# Altium PCB OTC_LOCK_v1_0.PcbDoc (part 2 of 2)
Units mm, origin at the board's own origin, x right, y up, seen from the top; angles counter-clockwise.
Board outline 85 x 65 mm, 4 copper layers (Top Layer, Internal Plane 1, Internal Plane 2, Bottom Layer), stack 1.56 mm thick; 126 components, 96 nets, 383 pads, 140 vias.
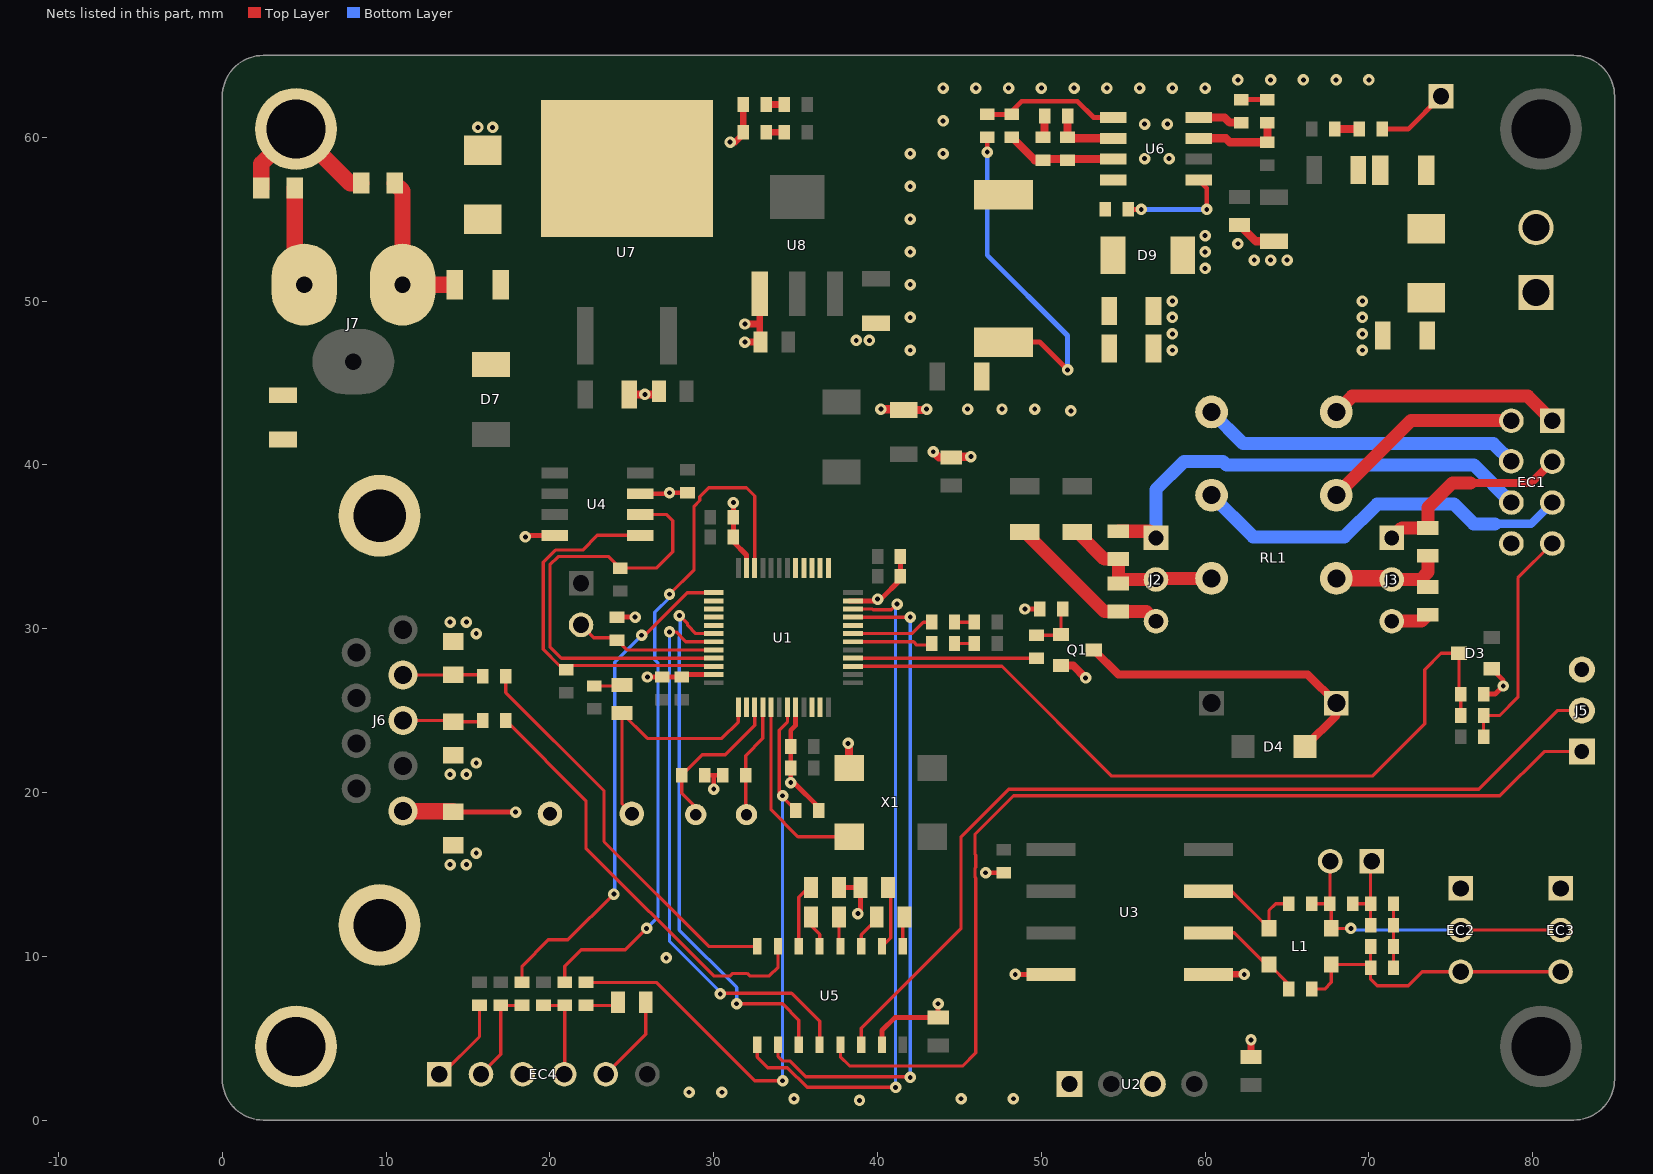
[diagram p4: the nets of this part, all layers, seen from the top]

## Via types
v1: diameter 0.7, hole 0.3, Top Layer to Bottom Layer, 140 vias

## Nets (pads, with @x,y where several pads share a name; then routed paths per layer and width w, separated by ;. In a path a pad name is that pad's centre, name@x,y a point inside that pad or via, vN(x,y) a via of type N, cw(c..) or ccw(c..) an arc to the next point about the centre after c; other vN are vias at no path point) (continued)
GND: C1.1 C3.2 C4.1 C5.1 C6.1 C7.1 C8.2 C9.1 C10.1 C11.1 C12.1 C15.1 C16.1 C17.1 C18.1 C19.1 C20.2 C21.2 C23.1 C24.1 C25.2 C26.1 C27.2 C28.1 C29.1 C30.1 C31.1 C32.1 C33.1 C34.1 C35.1 D3.1 D9.1 D10.2 D11.2 D12.2 EC1.8 EC4.3 F3.1 FB3.2 J3.3 J5.3 J6.5 J7.2 PIN1.1 Q1.S R17.1 R18.1 R21.1 R32.1 R34.1 R38.2 U1.8 U1.23 U1.35 U1.47 U2.1 U3.4 U4.4 U4.7 U5.15 U6.7 U7.4 U8.1 V1.1 V5.1 X1.2 | length 92.8
  Top Layer w0.3: V1.1@14.1,18.82 17.88,18.82 v1(17.9,18.8) ; v1(18.5,35.6) 18.595,35.695 U4.4@20.297,35.695 ; R18.1@24.1,30.7 v1(25.2,30.7) ; U4.7@25.504,38.235 27.235,38.235 v1(27.3,38.3) C5.1@28.4,38.3 ; v1(25.95,27.05) C12.1@26.85,27.05 C17.1@28.05,27.05 28.2,27.2 U1.47@30,27.2 ; C4.1@29.45,21.05 30,21.05 ; v1(30,20.2) 30,21.05 ; C6.1@30.55,21.05 30,21.05 ; v1(31.2,37.7) C18.1@31.2,36.8 C9.1@31.2,35.6 31.2,35.3 32,34.5 U1.35@32,33.7 ; U1.8@35,25.2 35,24.1 34.7,23.8 C15.1@34.7,22.8 C11.1@34.7,21.5 v1(34.7,20.6) 34.9,20.6 36.4,19.1 C7.1@36.4,18.9 ; C20.2@37.65,14.2 C19.1@38.95,14.2 38.95,12.75 v1(38.8,12.6) ; U1.23@38.3,31.7 U1.23@38.5,31.7 39.9,31.7 v1(40,31.8) 40.2,31.8 41.4,33 C10.1@41.4,33.2 C16.1@41.4,34.4 ; U5.15@40.275,4.6 40.275,5.475 41.05,6.25 C21.2@43.7,6.25 v1(43.7,7.1) ; v1(46.6,15.1) C3.2@47.7,15.1 ; v1(48.41,8.89) U3.4@50.6,8.89 ; v1(49,31.2) R21.1@49.9,31.2 ; C27.2@62.2,62.3 R32.1@63.8,62.3 ; D10.2@70.8,60.5 72.4,60.5 PIN1.1@74.4,62.5 ; C1.1@77,26 77.7,26 v1(78.2,26.5) 78.2,26.85 D3.1@77.5,27.55
  Top Layer w0.4: v1(31,59.7) 31.3,59.7 31.8,60.2 D12.2@31.8,62 ; v1(31.9,47.5) C35.1@32.85,47.5 32.8,47.55 32.8,48.6 ; v1(31.9,48.6) 32.8,48.6 ; U8.1@32.8,50.45 32.8,48.6
  Top Layer w0.5: C32.1@24.85,44.3 v1(25.8,44.3) 26.45,44.3 C33.1@26.65,44.5 ; v1(38.2,23) 38.26,22.94 X1.2@38.26,21.5 ; v1(40.2,43.4) 41.55,43.4 C25.2@41.6,43.35 42.95,43.35 v1(43,43.4) ; v1(43.4,40.8) 43.75,40.45 C26.1@44.5,40.45 44.55,40.5 v1(45.7,40.5) ; R34.1@48.2,60 49.6,58.6 C31.1@50.1,58.6 50.165,58.665 U6.7@54.397,58.665 ; Q1.S@51.2,27.75 51.95,27.75 v1(52.7,27) ; C24.1@62.1,54.65 63.1,53.65 C23.1@64.2,53.65
  Top Layer w0.8: J3.3@71.4,30.46 73.21,30.46 R17.1@73.6,30.85
  Top Layer w1: V5.1@4.42,56.9 4.42,51.58 J7.2@5,51 ; J6.5@11.022,18.86 14.06,18.86 V1.1@14.1,18.82
  other v1: 38.9,1.2 34.9,1.3 45.1,1.3 48.3,1.3 28.5,1.7 30.5,1.7 27.1,9.9 51.8,43.3 45.5,43.4 47.6,43.4 49.6,43.4 42,47 58,47 69.6,47 38.7,47.6 39.5,47.6 58,48 69.6,48 42,49 58,49 69.6,49 58,50 69.6,50 42,51 60,52 63,52.5 64,52.5 65,52.5 42,53 60,53 62,53.5 60,54 42,55 42,57 56.3,58.7 57.8,58.7 42,59 44,59 15.6,60.6 16.5,60.6 56.3,60.8 57.7,60.8 44,61 44,63 46,63 48,63 50,63 52,63 54,63 56,63 58,63 60,63 62,63.5 64,63.5 66,63.5 68,63.5 70,63.5
GND_CAN: C2.2 EC2.1 EC3.1 U2.3 U3.5 | length 3.2
  Top Layer w0.4: U3.5@60.2,8.89 v1(62.39,8.89) ; C2.2@62.8,3.85 v1(62.8,4.9)
GND_EARTH: J6.10 J6.11 pad.@4.5,4.5 pad.@4.5,60.5 R38.1 V1.2 V2.1 V3.1 V4.2 V5.2 | length 9.8
  Top Layer w1: V5.2@2.38,56.9 2.38,58.38 pad.@4.5,60.5 7.8,57.2 V4.2@8.48,57.2
  other v1: 13.9,15.6 14.9,15.6 15.5,16.3 13.9,21.1 14.9,21.1 15.5,21.8 15.5,29.7 13.9,30.4 14.9,30.4
I2C1_SCL: R11.2 U1.45 U4.6 | length 27.7
  Top Layer w0.2: U4.6@25.504,36.965 27.135,36.965 27.5,36.6 27.5,34.7 26.5,33.7 R11.2@24.3,33.7 23.6,34.4 20.5,34.4 20,33.9 20,28.9 20.7,28.2 U1.45@30,28.2
I2C1_SDA: R12.2 U1.46 U4.5 | length 22.7
  Top Layer w0.2: U4.5@25.504,35.695 22.895,35.695 22,34.8 20.334,34.8 19.6,34.066 19.6,28.734 20.584,27.75 29.95,27.75 U1.46@30,27.7
LED_0: D1.2 U1.18 | length 4.9
  Top Layer w0.2: U1.18@38.5,29.2 42.2,29.2 42.4,29 43.2,29 D1.2@43.3,29.1
LED_1: D2.2 U1.19 | length 5.1
  Top Layer w0.2: U1.19@38.5,29.7 42.1,29.7 42.8,30.4 D2.2@43.3,30.4
LOCK_RELAY: R19.2 U1.16 | length 11.2
  Top Layer w0.2: U1.16@38.5,28.2 R19.2@49.7,28.2
LOCK_SWITCH: C1.2 D3.3 R6.1 U1.15 | length 48.7
  Top Layer w0.2: U1.15@38.5,27.7 47.6,27.7 54.3,21 70.2,21 73.4,24.2 73.4,27.5 74.4,28.5 D3.3@75.5,28.5 75.5,26.1 C1.2@75.6,26 R6.1@75.6,24.7
NetC4_2: C4.2 U1.3 Y1.2 | length 9.6
  Top Layer w0.2: Y1.2@28.9,18.65 28.9,19.1 28.05,19.95 C4.2@28.05,21.05 29.3,22.3 30.7,22.3 32.5,24.1 U1.3@32.5,25.2
NetC6_2: C6.2 U1.4 Y1.1 | length 7
  Top Layer w0.2: Y1.1@32,18.65 31.95,18.7 C6.2@31.95,21.05 31.95,22.25 33,23.3 U1.4@33,25.2
NetC13_1: C13.1 U5.3 | length 2.2
  Top Layer w0.2: U5.3@39.005,10.6 39.005,11.305 39.95,12.25 C13.1@39.95,12.4
NetC13_2: C13.2 U5.1 | length 1.8
  Top Layer w0.2: U5.1@41.545,10.6 41.545,12.295 C13.2@41.65,12.4
NetC14_1: C14.1 U5.4 | length 1.8
  Top Layer w0.2: C14.1@37.65,12.4 37.65,10.685 U5.4@37.735,10.6
NetC14_2: C14.2 U5.5 | length 2
  Top Layer w0.2: C14.2@35.95,12.4 35.95,11.85 36.465,11.335 U5.5@36.465,10.6
NetC19_2: C19.2 U5.2 | length 4.1
  Top Layer w0.2: U5.2@40.275,10.6 40.8,11.125 40.8,14.05 C19.2@40.65,14.2
  Top Layer w0.3: C19.2@40.625,14.275 C19.2@40.75,14.4
NetC20_1: C20.1 U5.6 | length 4
  Top Layer w0.2: U5.6@35.195,10.6 35.195,13.595 35.8,14.2 C20.1@35.95,14.2
NetC22_1: C22.1 U6.1 | length 6.8
  Top Layer w0.3: C22.1@55.3,55.6 v1(56.1,55.6) ; U6.1@59.604,57.395 60.1,56.899 v1(60.1,55.6)
  Bottom Layer w0.3: v1(56.1,55.6) v1(60.1,55.6)
NetC22_2: C22.2 D9.2 L2.1 U6.8
NetC27_1: C27.1 U6.4 | length 2.7
  Top Layer w0.5: U6.4@59.604,61.205 61.195,61.205 61.5,60.9 C27.1@62.2,60.9
NetC28_2: C28.2 C29.2 FB2.1 L2.2 R31.2 | length 20.8
  Top Layer w0.3: v1(46.7,59.1) R31.2@46.7,60 ; L2.2@47.7,47.5 49.9,47.5 v1(51.6,45.8)
  Bottom Layer w0.3: v1(46.7,59.1) 46.7,52.8 51.6,47.9 v1(51.6,45.8)
NetC30_2: C30.2 R33.2 U6.6 | length 4.1
  Top Layer w0.5: R33.2@51.6,61.3 C30.2@51.6,60 51.665,59.935 U6.6@54.397,59.935
NetC31_2: C31.2 R33.1 | length 1.3
  Top Layer w0.5: C31.2@50.1,60 50.2,60.1 R33.1@50.2,61.3
NetD1_1: D1.1 R1.1 | length 1.2
  Top Layer w0.2: D1.1@44.7,29.1 R1.1@45.9,29.1
NetD2_1: D2.1 R2.1 | length 1.2
  Top Layer w0.2: D2.1@44.7,30.4 R2.1@45.9,30.4
NetD4_1: D4.1 Q1.D RL1.16 | length 19.6
  Top Layer w0.5: Q1.D@53.2,28.7 54.7,27.2 66.26,27.2 RL1.16@68.01,25.45 68.01,24.71 D4.1@66.1,22.8
NetD5_1: D5.1 R20.2 | length 1.7
  Top Layer w0.2: R20.2@22.7,26.5 24.35,26.5 D5.1@24.4,26.55
NetD6_1: D6.1 R29.1 | length 2
  Top Layer w0.2: R29.1@22.2,7 23.95,7 D6.1@24.15,7.2
NetD6_2: D6.2 EC4.5 | length 5.4
  Top Layer w0.2: EC4.5@23.41,2.8 25.85,5.24 D6.2@25.85,7.2
NetD7_1: D7.1 F3.2 F4.2
NetD10_1: D10.1 R35.1 | length 1.5
  Top Layer w0.5: R35.1@67.9,60.5 D10.1@69.4,60.5
NetD11_1: D11.1 R36.1 | length 1.1
  Top Layer w0.4: D11.1@33.2,60.3 R36.1@34.3,60.3
NetD12_1: D12.1 R37.1 | length 1.1
  Top Layer w0.4: D12.1@33.2,62 R37.1@34.3,62
NetEC1_1: EC1.1 RL1.9 | length 14.2
  Top Layer w0.8: RL1.9@68.01,43.23 68.98,44.2 79.7,44.2 EC1.1@81.2,42.7
NetEC1_2: EC1.2 RL1.11 | length 12.6
  Top Layer w0.8: RL1.11@68.01,38.15 72.56,42.7 EC1.2@78.7,42.7
NetEC1_3: EC1.3 J3.1 R16.2 | length 12.5
  Top Layer w0.5: 76.2,38.9 79.9,38.9 EC1.3@81.2,40.2
  Top Layer w0.8: J3.1@71.4,35.54 72.01,36.15 R16.2@73.6,36.15 73.6,37.4 75.1,38.9 76.2,38.9
NetEC1_4: EC1.4 RL1.8 | length 19.5
  Bottom Layer w0.8: RL1.8@60.39,43.23 62.32,41.3 77.6,41.3 EC1.4@78.68,40.22
NetEC1_5: EC1.5 RL1.6 | length 23.7
  Bottom Layer w0.5: 77.7,36.4 79.9,36.4 EC1.5@81.2,37.7
  Bottom Layer w0.8: RL1.6@60.39,38.15 62.94,35.6 68.5,35.6 70.5,37.6 75.2,37.6 76.4,36.4 77.7,36.4
NetEC1_6: EC1.6 J2.1 R13.2 | length 28.9
  Top Layer w0.8: R13.2@54.7,35.95 56.59,35.95 J2.1@57,35.54
  Bottom Layer w0.8: J2.1@57,35.54 57,38.5 58.7,40.2 61.1,40.2 61.3,40 76.4,40 EC1.6@78.7,37.7
NetEC1_7: EC1.7 R3.1 R6.2 | length 14.1
  Top Layer w0.2: R3.1@77,23.4 R6.2@77,24.7 78,24.7 79.1,25.8 79.1,33.1 EC1.7@81.2,35.2
NetEC2_2: EC2.2 EC3.2 J1.2 L1.2 R7.2 R10.2 | length 19.3
  Top Layer w0.2: R10.2@66.5,13.2 R7.2@67.6,13.2 ; J1.2@67.63,15.8 67.63,13.23 R7.2@67.6,13.2 ; v1(68.9,11.7) L1.2@67.7,11.7 67.7,13.1 R7.2@67.6,13.2 ; EC2.2@75.6,11.6 EC3.2@81.7,11.6
  Bottom Layer w0.2: v1(68.9,11.7) 69,11.6 EC2.2@75.6,11.6
NetEC2_3: EC2.3 EC3.3 L1.3 R4.1 R8.1 R15.2 | length 19.1
  Top Layer w0.2: R15.2@66.5,8 67.3,8 67.7,8.4 L1.3@67.7,9.5 69.9,9.5 R8.1@70.1,9.3 ; R4.1@70.1,10.6 R8.1@70.1,9.3 ; EC3.3@81.7,9.06 EC2.3@75.6,9.06 73.26,9.06 72.4,8.2 70.5,8.2 70.1,8.6 R8.1@70.1,9.3
NetEC4_1: EC4.1 R25.2 | length 5.3
  Top Layer w0.2: EC4.1@13.25,2.8 13.4,2.8 15.7,5.1 R25.2@15.7,7
NetEC4_2: EC4.2 R23.1 R26.1 | length 6
  Top Layer w0.2: EC4.2@15.79,2.8 17,4.01 R23.1@17,7 R26.1@18.3,7
NetEC4_4: EC4.4 R27.1 R28.1 | length 5.5
  Top Layer w0.2: R27.1@19.6,7 R28.1@20.9,7 20.9,2.83 EC4.4@20.87,2.8
NetF1_1: F1.1 J2.2 R13.1 R14.2 RL1.4 | length 10.5
  Top Layer w0.8: F1.1@52.2,35.9 53.85,34.25 R13.1@54.7,34.25 R14.2@54.7,32.75 54.95,33 J2.2@57,33 57.07,33.07 RL1.4@60.39,33.07
NetF2_1: F2.1 J2.3 R14.1 | length 10.3
  Top Layer w0.8: F2.1@49,35.9 53.85,31.05 R14.1@54.7,31.05 56.41,31.05 J2.3@57,30.46
NetF5_1: F5.1 FB3.1 P1.1
NetF6_2: F6.2 FB1.1
NetJ1_1: J1.1 R5.2 R7.1 R9.2 | length 4.9
  Top Layer w0.2: R7.1@69,13.2 R9.2@70.1,13.2 ; R5.2@70.1,11.9 R9.2@70.1,13.2 ; J1.1@70.1,15.73 R9.2@70.1,13.2
NetJ3_2: J3.2 R16.1 R17.2 RL1.13 | length 6.8
  Top Layer w0.8: J3.2@71.4,33 73.15,33 73.6,33.45 R16.1@73.6,34.45
  Top Layer w1: RL1.13@68.01,33.07 71.33,33.07 J3.2@71.4,33
NetJ4_2: J4.2 R18.2 U1.44 | length 8.7
  Top Layer w0.2: J4.2@21.9,30.23 22.68,29.45 R18.2@24.1,29.45 ; R18.2@24.1,29.3 24.7,28.7 U1.44@30,28.7
NetJ6_2: J6.2 R24.1 V3.2 | length 4.9
  Top Layer w0.2: J6.2@11.022,27.165 14.085,27.165 V3.2@14.1,27.18 15.82,27.18 R24.1@15.9,27.1
NetJ6_3: J6.3 R22.1 V2.2 | length 4.9
  Top Layer w0.2: J6.3@11.022,24.397 14.023,24.397 V2.2@14.1,24.32 15.82,24.32 R22.1@15.9,24.4
NetL1_1: L1.1 R10.1 U3.7 | length 7.1
  Top Layer w0.2: U3.7@60.2,13.97 61.63,13.97 L1.1@63.9,11.7 63.9,12.8 64.3,13.2 R10.1@65.1,13.2
NetL1_4: L1.4 R15.1 U3.6 | length 6.5
  Top Layer w0.2: U3.6@60.2,11.43 61.77,11.43 63.7,9.5 L1.4@63.9,9.5 65.1,8.3 R15.1@65.1,8
NetQ1_G: Q1.G R19.1 R21.2 | length 3.1
  Top Layer w0.2: R19.1@49.7,29.6 51.15,29.6 Q1.G@51.2,29.65 51.2,31.1 R21.2@51.3,31.2
NetR4_2: R4.2 R5.1 R8.2 R9.1 | length 3.9
  Top Layer w0.2: R8.2@71.5,9.3 R9.1@71.5,13.2
NetR30_1: R30.1 R32.2 U6.3 | length 5.5
  Top Layer w0.5: U6.3@59.604,59.935 61.265,59.935 61.5,59.7 R30.1@63.8,59.7 R32.2@63.8,60.9
NetR31_1: R31.1 R34.2 U6.5 | length 8.6
  Top Layer w0.3: R31.1@46.7,61.4 R34.2@48.2,61.4 48.2,61.6 48.8,62.2 52.2,62.2 53.195,61.205 U6.5@54.397,61.205
NetU1_5: U1.5 X1.3 | length 11.7
  Top Layer w0.2: U1.5@33.5,25.2 33.5,18.94 35.14,17.3 X1.3@38.26,17.3
NRST: C7.2 R29.2 U1.7 | length 38.8
  Top Layer w0.2: R29.2@22.2,8.4 26.5,8.4 32.5,2.4 v1(34.2,2.4) ; U1.7@34.5,25.2 34.5,24.3 34,23.8 34,20 v1(34.2,19.8) 34.2,19.7 C7.2@35,18.9
  Bottom Layer w0.2: v1(34.2,2.4) v1(34.2,19.8)
PA8: U1.29
PA15: U1.38
PB2: U1.20
PB3: U1.39
PB4: U1.40
PB5: U1.41
PB12: U1.25
PB13: U1.26
PB14: U1.27
PB15: U1.28 | length 0.2
  Top Layer w0.2: U1.28@35.5,33.5 U1.28@35.5,33.7
PC13: U1.2
Rx232ext: R24.2 U5.8 | length 24.6
  Top Layer w0.2: R24.2@17.3,27.1 17.3,26.1 23.3,20.1 23.3,17 29.7,10.6 U5.8@32.655,10.6
Rx232int: J5.1 U5.13 | length 62.1
  Top Layer w0.2: U5.13@37.735,4.6 37.735,3.865 38.3,3.3 45.2,3.3 46,4.1 46,14.781 45.95,14.831 45.95,15.369 46,15.419 46,16.181 45.95,16.231 45.95,17.45 48.3,19.8 78,19.8 80.7,22.5 J5.1@83,22.5
SDCLK: R26.2 U1.37 | length 30.4
  Top Layer w0.2: R26.2@18.3,8.4 18.3,9.4 19.9,11 21.1,11 v1(23.9,13.8) ; v1(25.6,29.6) 25.781,29.6 28.381,32.2 U1.37@30,32.2
  Bottom Layer w0.2: v1(23.9,13.8) 23.95,13.85 23.95,27.95 v1(25.6,29.6)
SDWIO: R28.2 U1.34 | length 43
  Top Layer w0.2: R28.2@20.9,8.4 20.9,9.4 21.9,10.4 24.6,10.4 v1(25.9,11.7) ; v1(27.3,32.1) 28.8,33.6 28.8,37.476 29.15,37.826 29.15,38.05 29.7,38.6 32,38.6 32.5,38.1 U1.34@32.5,33.7
  Bottom Layer w0.2: v1(25.9,11.7) 26.6,12.4 26.6,27.9 26.4,28.1 26.4,31 27.3,31.9 v1(27.3,32.1)
Tx232ext: R22.2 U5.7 | length 26.4
  Top Layer w0.2: R22.2@17.3,24.4 22.2,19.5 22.2,16.6 30,8.8 31.015,8.8 31.165,8.95 32.035,8.95 32.185,8.8 33.4,8.8 33.925,9.325 U5.7@33.925,10.6
Tx232int: J5.2 U5.14 | length 56.3
  Top Layer w0.2: U5.14@39.005,4.6 39.005,5.605 45.1,11.7 45.1,17.3 48,20.2 76.7,20.2 81.5,25 J5.2@83,25
USART1_RX: U1.43 U5.12 | length 34.6
  Top Layer w0.2: v1(27.3,29.8) 27.7,29.8 28.3,29.2 U1.43@30,29.2 ; v1(30.4,7.7) 30.45,7.75 34.75,7.75 36.465,6.035 U5.12@36.465,4.6
  Bottom Layer w0.2: v1(27.3,29.8) 27.3,10.919 30.4,7.819 v1(30.4,7.7)
USART1_TX: U1.42 U5.11 | length 33.5
  Top Layer w0.2: v1(27.9,30.8) 28.4,30.3 28.4,30.2 28.9,29.7 U1.42@30,29.7 ; v1(31.4,7.1) 34.2,7.1 35.195,6.105 U5.11@35.195,4.6
  Bottom Layer w0.2: v1(27.9,30.8) 27.95,30.75 27.95,29.531 27.9,29.481 27.9,11.6 31.4,8.1 v1(31.4,7.1)
USART3_RX: U1.22 U5.9 | length 42.4
  Top Layer w0.2: U5.9@32.655,4.6 32.655,3.845 33.3,3.2 34.5,3.2 35.7,2 v1(41.1,2) ; U1.22@38.5,31.2 39.681,31.2 39.731,31.15 40.85,31.15 v1(41.2,31.5)
  Bottom Layer w0.2: v1(41.1,2) 41.1,31.4 v1(41.2,31.5)
USART3_TX: U1.21 U5.10 | length 40.9
  Top Layer w0.2: U5.10@33.925,4.6 33.925,3.875 34.2,3.6 34.666,3.6 35.616,2.65 41.95,2.65 v1(42,2.6) ; U1.21@38.5,30.7 v1(42,30.7)
  Bottom Layer w0.2: v1(42,2.6) v1(42,30.7)
USART4_RX: U1.11
USART4_TX: U1.10
VBAT: C8.1 D5.2 U1.1 | length 15.5
  Top Layer w0.2: C8.1@25,18.7 24.4,19.3 D5.2@24.4,24.85 25.95,23.3 30.5,23.3 31.5,24.3 U1.1@31.5,25.2
VIN_ext: F4.1 J7.1 V4.1 | length 9.6
  Top Layer w1: V4.1@10.52,57.2 11,56.72 J7.1@11,51 F4.1@14.2,51
VIN_int24: F5.2 F6.1 P1.2
pads on no net: D3.PEGA D4.PEGA D7.PEGA D8.PEGA D9.PEGA EC4.6 J6.1 J6.4 J6.6 J6.7 J6.8 J6.9 J7.3 Q1.PEGA U1.6 U1.12 U1.13 U1.14 U1.17 U1.30 U1.31 U4.1 U4.2 U4.3 X1.1

## Polygon pours and split planes (outlines as drawn)
GND on Top Layer "GND_L01_P022" (solid, remove dead copper, pour order 26): 15.3,46.4 85,46.4 85,65 15.3,65
+3V3 on Top Layer "Top Layer-No Net" (solid, remove dead copper, pour order 20): 37.85,46.7 37.9,46.75 37.9,52.205 40.4,54.705 40.4,58.6 30.4,58.6 30.4,46.7
GND_EARTH on Bottom Layer "EARTH" (solid, remove dead copper, pour order 22): 12.1,9.5 7,4.4 7,0 0,0 0,65 6,65 6,60 6,56 6,44.5 15.9,34.6 15.9,29.3 7,29.3 7.003,22.097 15.9,22.097 15.9,16.864 15.9,16.2 12.1,12.4
GND on Bottom Layer "GND_L04_P024" (solid, remove dead copper, pour order 28): 15.8,65 11,65 11,60.9 8.1,58 8.1,53.1 7.3,52.3 5.5,52.3 5.5,47.2 10.132,42.568 15.8,42.568 15.8,0 54.1,0 54.1,46.5 85,46.5 85,65
GND_CAN on Internal Plane 1 (split plane): 84.49,2.5 84.491,2.484 84.482,2.305 84.454,2.111 84.406,1.922 84.34,1.738 84.257,1.561 84.156,1.393 84.04,1.236 83.908,1.092 83.764,0.96 83.607,0.844 83.439,0.743 83.262,0.66 83.078,0.594 82.889,0.546 82.695,0.518 82.516,0.509 82.5,0.51 57.002,0.51 57.002,16.298 84.49,16.298
GND on Internal Plane 1 (split plane): 82.695,64.482 82.889,64.454 83.078,64.406 83.262,64.34 83.439,64.257 83.607,64.156 83.764,64.04 83.908,63.908 84.04,63.764 84.156,63.607 84.257,63.439 84.34,63.262 84.406,63.078 84.454,62.889 84.482,62.695 84.491,62.516 84.49,62.5 84.49,19.302 55.5,19.302 55.332,19.293 55.166,19.265 55.004,19.218 54.848,19.154 54.701,19.072 54.563,18.975 54.438,18.862 54.325,18.737 54.228,18.599 54.146,18.452 54.082,18.296 54.035,18.134 54.007,17.968 53.998,17.8 53.998,0.51 8.502,0.51 8.502,4.292 13.355,9.145 13.418,9.221 13.464,9.308 13.493,9.402 13.502,9.5 13.502,11.692 16.655,14.845 16.718,14.921 16.764,15.008 16.793,15.102 16.802,15.2 16.802,34.4 16.793,34.498 16.764,34.592 16.718,34.679 16.655,34.755 3.602,47.808 3.602,53.592 7.855,57.845 7.918,57.921 7.964,58.008 7.993,58.102 8.002,58.2 8.002,64.49 82.5,64.49 82.516,64.491
+3V3 on Internal Plane 2 (split plane): 84.49,2.5 84.491,2.484 84.482,2.305 84.454,2.111 84.406,1.922 84.34,1.738 84.257,1.561 84.156,1.393 84.04,1.236 83.908,1.092 83.764,0.96 83.607,0.844 83.439,0.743 83.262,0.66 83.078,0.594 82.889,0.546 82.695,0.518 82.516,0.509 82.5,0.51 57.002,0.51 57.002,16.298 84.49,16.298
+3V3 on Internal Plane 2 (split plane): 82.695,64.482 82.889,64.454 83.078,64.406 83.262,64.34 83.439,64.257 83.607,64.156 83.764,64.04 83.908,63.908 84.04,63.764 84.156,63.607 84.257,63.439 84.34,63.262 84.406,63.078 84.454,62.889 84.482,62.695 84.491,62.516 84.49,62.5 84.49,19.302 55.5,19.302 55.332,19.293 55.166,19.265 55.004,19.218 54.848,19.154 54.701,19.072 54.563,18.975 54.438,18.862 54.325,18.737 54.228,18.599 54.146,18.452 54.082,18.296 54.035,18.134 54.007,17.968 53.998,17.8 53.998,0.51 8.502,0.51 8.502,4.292 13.355,9.145 13.418,9.221 13.464,9.308 13.493,9.402 13.502,9.5 13.502,11.692 16.655,14.845 16.718,14.921 16.764,15.008 16.793,15.102 16.802,15.2 16.802,34.4 16.793,34.498 16.764,34.592 16.718,34.679 16.655,34.755 3.602,47.808 3.602,53.592 7.855,57.845 7.918,57.921 7.964,58.008 7.993,58.102 8.002,58.2 8.002,64.49 82.5,64.49 82.516,64.491

## Keep-outs
Keep-Out Layer:
  lines w0.254: 0,2.5 ccw(c2.5,2.5) 2.5,0 3,0 82.5,0 ccw(c82.5,2.5) 85,2.5 85,62.5 ccw(c82.5,62.5) 82.5,65 3,65 2.5,65 ccw(c2.5,62.5) 0,62.5 0,2.5

## Other copper
Top Layer:
  region net NetF5_1: 81.3,51.6 73.1,51.6 72.7,51.2 72.7,47.1 79,47.1 81.3,49.4
  region net NetD7_1: 15.9,55.9 17.6,55.9 17.6,45.4 15.9,45.4
  region net GND_EARTH: 13.5,28.8 13.5,30.8 16,30.8 16,28.8
  region net GND_EARTH: 13.5,17.2 13.5,15.2 16,15.2 16,17.2
  region net NetC28_2: 52.2,44.6 53.7,46.1 54.6,46.1 54.6,50.8 47.7,50.8 45.9,49 45.9,44.6
  region net NetC22_2: 54.2,57.7 45.9,57.7 45.9,55.2 49.4,51.7 54.2,51.7
  region net +24V: 58.7,59.1 67.1,59.1 67.1,56.6 66.4,55.9 61.5,55.9 61.2,56.2 61.2,57.7 60.7,58.2 58.7,58.2
  region net VIN_int24: 72.4,53.5 80.3,53.5 80.3,55.6 77,58.9 72.4,58.9
  region net NetF6_2: 68.85,59.1 71.35,59.1 71.35,56.9 68.85,56.9
  region net GND: 1.75,53.4 1.75,45.65 3.25,44.15 4.45,44.15 4.45,53.4
  region net GND_EARTH: 2.8,42.1 6.2,42.1 9,39.3 9,34.6 6.4,34.6 2.8,38.2
  region net GND_EARTH: 13.5,22.7 13.5,20.7 16,20.7 16,22.7
Internal Plane 1 (plane layer: these items are gaps in the copper):
  pour cut-out: 0,0 8,0 8,4.5 13,9.5 13,11.9 16.3,15.2 16.3,34.4 3.1,47.6 3.1,53.8 7.5,58.2 7.5,65 0,65
  pour cut-out: 38.4,58.1 39.5,58.1 39.5,57 38.4,57
  lines w1: 7.5,65 7.5,58.2 3.1,53.8 3.1,47.6 16.3,34.4 16.3,15.2 13,11.9 13,9.5 8,4.5 8,0
  lines w3: 55.5,0 55.5,17.8 85,17.8
Internal Plane 2 (plane layer: these items are gaps in the copper):
  pour cut-out: 0,0 8,0 8,4.5 13,9.5 13,11.9 16.3,15.2 16.3,34.4 3.1,47.6 3.1,53.8 7.5,58.2 7.5,65 0,65
  lines w1: 7.5,65 7.5,58.2 3.1,53.8 3.1,47.6 16.3,34.4 16.3,15.2 13,11.9 13,9.5 8,4.5 8,0
  lines w3: 55.5,0 55.5,17.8 85,17.8

## Silkscreen, mask and mechanical layers (free items; w line width, h text height)
Top Overlay:
  drawing of 2415 lines, arcs and shapes, not listed
  text "LP" at 56.6,37.2 h1
  text "LP" at 71,37.2 h1
  text "+12" at 55.7,27.7 h1
  text "GND" at 70.1,27.7 h1
  text "OTC_LOCK_V1.0" at 57.2,19.3 h1.52
Mechanical 10:
  text "Layer:" at 24.5,-6.5 h1.52
  text "'.Printout_Name'" at 33.6,-6.5 h1.52
Drill Drawing:
  circle w0.254: c-36.652,115.987 r0.847
  lines w0.254: -37.499,89.317 -36.652,88.47 -35.805,89.317 -36.652,90.163 -37.499,89.317 ; -37.499,92.28 -36.652,92.703 -35.805,92.28 -36.229,93.127 -35.805,93.973 -36.652,93.55 -37.499,93.973 -37.075,93.127 -37.499,92.28 ; -37.499,96.09 -37.499,96.513 -37.075,96.937 -37.499,97.36 -37.499,97.783 -37.075,97.783 -36.652,97.36 -36.229,97.783 -35.805,97.783 -35.805,97.36 -36.229,96.937 -35.805,96.513 -35.805,96.09 -36.229,96.09 -36.652,96.513 -37.075,96.09 -37.499,96.09 ; -37.499,100.323 -37.075,100.323 -37.075,99.9 -36.229,99.9 -36.229,100.323 -35.805,100.323 -35.805,101.17 -36.229,101.17 -36.229,101.593 -37.075,101.593 -37.075,101.17 -37.499,101.17 -37.499,100.323 ; -37.499,103.71 -36.652,104.133 -35.805,103.71 -36.229,104.557 -35.805,105.403 -36.652,104.98 -37.499,105.403 -37.075,104.557 -37.499,103.71 ; -37.499,107.943 -37.075,107.943 -36.652,107.52 -36.229,107.943 -35.805,107.943 -36.229,108.367 -35.805,108.79 -36.229,108.79 -36.652,109.213 -37.075,108.79 -37.499,108.79 -37.075,108.367 -37.499,107.943 ; -37.499,111.33 -35.805,111.33 -35.805,113.023 -37.499,113.023 -37.499,111.33 ; -37.499,120.643 -35.805,120.643 -36.652,118.95 -37.499,120.643 ; -37.499,123.183 -37.075,123.183 -36.652,122.76 -36.229,123.183 -35.805,123.183 -36.229,123.607 -35.805,124.03 -36.229,124.03 -36.652,124.453 -37.075,124.03 -37.499,124.03 -37.075,123.607 -37.499,123.183 ; -37.499,126.57 -35.805,126.57 -35.805,128.263 -37.499,128.263 -37.499,126.57 ; -37.16,104.049 -36.652,104.303 -36.144,104.049 -36.398,104.557 -36.144,105.065 -36.652,104.811 -37.16,105.065 -36.906,104.557 -37.16,104.049 ; -37.16,108.113 -36.906,108.113 -36.652,107.859 -36.398,108.113 -36.144,108.113 -36.398,108.367 -36.144,108.621 -36.398,108.621 -36.652,108.875 -36.906,108.621 -37.16,108.621 -36.906,108.367 -37.16,108.113 ; -37.16,126.909 -36.144,126.909 -36.144,127.925 -37.16,127.925 -37.16,126.909
  lines w0.381: -39.017,87.327 156.56,87.327 ; -39.017,129.237 156.56,129.237 ; -25.025,83.517 -25.025,133.047 ; -10.043,83.517 -10.043,133.047 ; 19.666,83.517 19.666,133.047 ; 32.516,83.517 32.516,133.047 ; 51.154,83.517 51.154,133.047 ; 89.243,83.517 89.243,133.047 ; 104.225,83.517 104.225,133.047 ; 123.168,83.517 123.168,133.047 ; -39.017,83.517 156.56,83.517 156.56,133.047 -39.017,133.047 -39.017,83.517
  text "Symbol" at -36.731,130.38 h1.83
  text "Count" at -23.882,130.38 h1.83
  text "Hole Size" at -8.9,130.38 h1.83
  text "Plated" at 20.809,130.38 h1.83
  text "Hole Type" at 33.659,130.38 h1.83
  text "Drill Layer Pair" at 52.297,130.38 h1.83
  text "Via/Pad" at 90.386,130.38 h1.83
  text "Pad Shape" at 105.368,130.38 h1.83
  text "Template" at 124.311,130.38 h1.83
  text "140" at -23.882,126.57 h1.52
  text "0,300mm (11,81mil)" at -8.9,126.57 h1.52
  text "PTH" at 20.809,126.57 h1.52
  text "Round" at 33.659,126.57 h1.52
  text "Top Layer - Bottom Layer" at 52.297,126.57 h1.52
  text "Via" at 90.386,126.57 h1.52
  text "Rounded" at 105.368,126.57 h1.52
  text "v70h30" at 124.311,126.57 h1.52
  text "2" at -23.882,122.76 h1.52
  text "0,700mm (27,56mil)" at -8.9,122.76 h1.52
  text "PTH" at 20.809,122.76 h1.52
  text "Round" at 33.659,122.76 h1.52
  text "Top Layer - Bottom Layer" at 52.297,122.76 h1.52
  text "Pad" at 90.386,122.76 h1.52
  text "Rounded" at 105.368,122.76 h1.52
  text "c130h70" at 124.311,122.76 h1.52
  text "2" at -23.882,118.95 h1.52
  text "0,850mm (33,47mil)" at -8.9,118.95 h1.52
  text "PTH" at 20.809,118.95 h1.52
  text "Round" at 33.659,118.95 h1.52
  text "Top Layer - Bottom Layer" at 52.297,118.95 h1.52
  text "Pad" at 90.386,118.95 h1.52
  text "Rounded" at 105.368,118.95 h1.52
  text "c150h85" at 124.311,118.95 h1.52
  text "9" at -23.882,115.14 h1.52
  text "0,900mm (35,43mil)" at -8.9,115.14 h1.52
  text "PTH" at 20.809,115.14 h1.52
  text "Round" at 33.659,115.14 h1.52
  text "Top Layer - Bottom Layer" at 52.297,115.14 h1.52
  text "Pad" at 90.386,115.14 h1.52
  text "(Mixed)" at 105.368,115.14 h1.52
  text "(Mixed)" at 124.311,115.14 h1.52
  text "29" at -23.882,111.33 h1.52
  text "1,000mm (39,37mil)" at -8.9,111.33 h1.52
  text "PTH" at 20.809,111.33 h1.52
  text "Round" at 33.659,111.33 h1.52
  text "Top Layer - Bottom Layer" at 52.297,111.33 h1.52
  text "Pad" at 90.386,111.33 h1.52
  text "(Mixed)" at 105.368,111.33 h1.52
  text "(Mixed)" at 124.311,111.33 h1.52
  text "2" at -23.882,107.52 h1.52
  text "1,000mm (39,37mil)" at -8.9,107.52 h1.52
  text "PTH" at 20.809,107.52 h1.52
  text "Slot" at 33.659,107.52 h1.52
  text "Top Layer - Bottom Layer" at 52.297,107.52 h1.52
  text "Pad" at 90.386,107.52 h1.52
  text "Rounded" at 105.368,107.52 h1.52
  text "(Mixed)" at 124.311,107.52 h1.52
  text "1" at -23.882,103.71 h1.52
  text "1,000mm (39,37mil)" at -8.9,103.71 h1.52
  text "PTH" at 20.809,103.71 h1.52
  text "Slot" at 33.659,103.71 h1.52
  text "Top Layer - Bottom Layer" at 52.297,103.71 h1.52
  text "Pad" at 90.386,103.71 h1.52
  text "Rounded" at 105.368,103.71 h1.52
  text "r500_400h100_370r100" at 124.311,103.71 h1.52
  text "17" at -23.882,99.9 h1.52
  text "1,100mm (43,31mil)" at -8.9,99.9 h1.52
  text "PTH" at 20.809,99.9 h1.52
  text "Round" at 33.659,99.9 h1.52
  text "Top Layer - Bottom Layer" at 52.297,99.9 h1.52
  text "Pad" at 90.386,99.9 h1.52
  text "(Mixed)" at 105.368,99.9 h1.52
  text "(Mixed)" at 124.311,99.9 h1.52
  text "2" at -23.882,96.09 h1.52
  text "1,650mm (64,96mil)" at -8.9,96.09 h1.52
  text "PTH" at 20.809,96.09 h1.52
  text "Round" at 33.659,96.09 h1.52
  text "Top Layer - Bottom Layer" at 52.297,96.09 h1.52
  text "Pad" at 90.386,96.09 h1.52
  text "(Mixed)" at 105.368,96.09 h1.52
  text "(Mixed)" at 124.311,96.09 h1.52
  text "2" at -23.882,92.28 h1.52
  text "3,200mm (125,98mil)" at -8.9,92.28 h1.52
  text "PTH" at 20.809,92.28 h1.52
  text "Round" at 33.659,92.28 h1.52
  text "Top Layer - Bottom Layer" at 52.297,92.28 h1.52
  text "Pad" at 90.386,92.28 h1.52
  text "Rounded" at 105.368,92.28 h1.52
  text "c500h320" at 124.311,92.28 h1.52
  text "4" at -23.882,88.47 h1.52
  text "3,600mm (141,73mil)" at -8.9,88.47 h1.52
  text "PTH" at 20.809,88.47 h1.52
  text "Round" at 33.659,88.47 h1.52
  text "Top Layer - Bottom Layer" at 52.297,88.47 h1.52
  text "Pad" at 90.386,88.47 h1.52
  text "Rounded" at 105.368,88.47 h1.52
  text "c500h360" at 124.311,88.47 h1.52
  text "210 Total" at -23.882,84.66 h1.52
  text "Slot definitions :" at -36.731,80.978 h1.52
  text "Routed Path Length" at -10.501,80.978 h1.52
  text "= Calculated from tool start centre position to tool end centre position." at 17.507,80.978 h1.52
  text "Hole Length" at -10.501,78.438 h1.52
  text "= Routed Path Length + Tool Size = Slot length as defined in the PCB layout" at 7.096,78.438 h1.52

## Dimensions
0,62.5 to 85,62.5 on Drill Drawing
82.5,65 to 82.5,0 on Drill Drawing

## Text inside footprints (layer, text, board x,y; h text height)
EC2: Top Overlay "1" at 78,13.865 h1 r90
EC3: Top Overlay "1" at 84.1,13.865 h1 r90
EC4: Top Overlay "1" at 13.525,5.2 h1 r180
J5: Top Overlay "1" at 83.55,19.325 h0.67 r90
J6: Top Overlay "9" at 7.651,18.893 h1 r270; Top Overlay "5" at 10.351,17.543 h1 r270; Top Overlay "1" at 10.351,31.793 h1 r270; Top Overlay "6" at 7.651,30.593 h1 r270
RL1: Drill Guide "BO" at 65.019,27.571 h1.2 r180; Drill Guide "NO" at 68.5,40.2 h1 r90; Drill Guide "NC" at 68.5,35.2 h1 r90; Drill Guide "NC" at 60.88,35.2 h1 r90; Drill Guide "NO" at 60.88,40.2 h1 r90; Drill Guide "CO" at 68.5,29.75 h1 r90; Drill Guide "CO" at 60.9,29.7 h1 r90
U2: Top Overlay "1" at 49.08,1.8 h0.67